# Altium PCB Dehyrator_TV01.PcbDoc (continued)
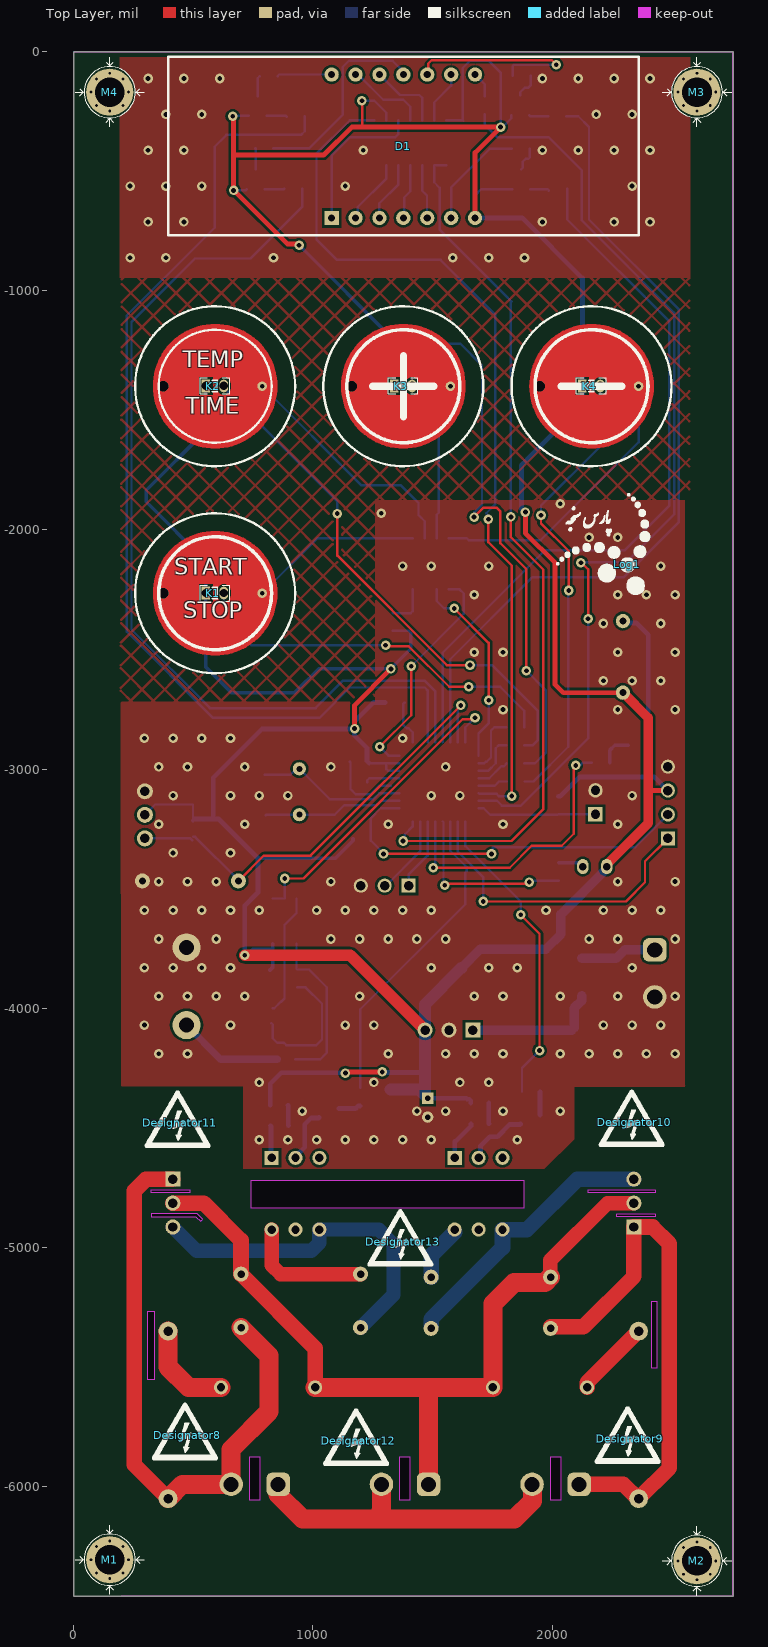
[diagram p0: Top Layer view]
## Footprints (in the part's own frame and the unit in brackets; to place one, negate y for a bottom-side part, rotate by r counter-clockwise, add the part's x,y. Pads: shape width x height; smd on the part's side, far side on the other; paste and mask are expansions set on the pad) (continued)
TOUCHLED_CIRCULAR [mm]
  round 1.016 hole 0.508: 1(5,0)
  rect 0.9x1.35 hole 0.9: 2(-0.975,0.025)
  oval 0.9x1.35 hole 0.9: 3(0.925,0.025)
  round 1.1 hole 1.1: 4(-5.5,0)
  Top Layer circle w0.254: c0.002,0 r6.5
  Top Layer region: 0.965,6.426 1.499,6.426 1.778,6.147 2.413,6.147 2.743,5.817 2.743,5.791 3.175,5.791 3.327,5.639 3.429,5.639 4.623,4.445 4.826,4.445 4.826,4.191 5.766,3.251 5.766,2.794 6.147,2.413 6.147,1.803 6.452,1.499 6.452,-1.092 6.274,-1.27 6.274,-2.083 5.893,-2.464 5.893,-2.946 5.639,-3.2 5.639,-3.404 4.293,-4.75 4.293,-5.004 4.013,-5.004 3.251,-5.766 2.794,-5.766 2.438,-6.121 1.905,-6.121 1.626,-6.401 -1.702,-6.401 -1.778,-6.325 -1.778,-6.198 -2.286,-6.198 -2.54,-5.944 -2.921,-5.944 -3.099,-5.766 -3.226,-5.766 -3.454,-5.537 -3.607,-5.537 -4.953,-4.191 -4.977,-4.191 -5.029,-4.064 -4.978,-4.013 -5.74,-3.251 -5.74,-3.073 -5.664,-2.997 -5.944,-2.718 -5.944,-2.591 -5.867,-2.515 -6.248,-2.134 -6.248,-1.829 -6.172,-1.753 -6.274,-1.651 -6.401,-1.651 -6.401,0.94 -6.528,1.067 -6.35,1.245 -6.274,1.245 -6.274,1.676 -6.375,1.778 -6.274,1.88 -6.121,1.88 -6.121,2.438 -5.766,2.794 -5.766,3.099 -5.791,3.124 -5.436,3.48 -5.385,3.48 -5.385,3.759 -5.41,3.785 -5.08,4.115 -4.928,4.115 -4.928,4.394 -4.216,5.105 -3.886,5.105 -3.226,5.766 -2.769,5.766 -2.388,6.147 -1.829,6.147 -1.549,6.426 -0.102,6.426 0.076,6.604 hole: -0.271,0.954 -1.679,0.954 -1.679,0.072 -1.685,0.025 -1.679,-0.021 -1.679,-0.904 -0.271,-0.904 -0.271,-0.021 -0.265,0.025 -0.271,0.072 hole: 0.925,0.96 0.741,0.936 0.57,0.865 0.423,0.753 0.31,0.605 0.239,0.434 0.215,0.25 0.215,-0.2 0.239,-0.383 0.31,-0.555 0.423,-0.702 0.57,-0.815 0.741,-0.885 0.925,-0.91 1.109,-0.885 1.28,-0.815 1.427,-0.702 1.54,-0.555 1.611,-0.383 1.635,-0.2 1.635,0.25 1.611,0.434 1.54,0.605 1.427,0.753 1.28,0.865 1.109,0.936
  silkscreen extent -8.5,-8.5 8.5,8.5, body extent -1.03,-0.6 0.99,0.65, height 1.1
XH-3PIN [mm]
  round 1.7 hole 1: 1(-2.5,0) 2(0,0) 3(2.5,0)
  silkscreen extent -5,-2.31 5,3.4, body extent -4.98,-2.42 4.92,3.33, height 7

## Part data
C1 C2 C3 C4 C5 C6 C7 C8 C10 C11 C14 C15 C16 C17 C18 C19 C20: "Capacitor", LatestRevisionDate=17-Jul-2002, LatestRevisionNote="Re-released for DXP Platform.", PackageDescription="Radial Cap, Thru-Hole; 2 Leads; 0.3 in Pin Spacing", PackageReference=RAD-0.3, Published=8-Jun-2000, Publisher="Altium Limited"
C9: library part Cap2, "Capacitor", PackageDescription="Capacitor; 2 Leads", PackageReference=CAPR5-4X5, Published=23-Sep-2002, Publisher="Altium Limited"
C12 C13: library part Cap, "Capacitor", LatestRevisionDate=17-Jul-2002, LatestRevisionNote="Re-released for DXP Platform.", PackageDescription="Radial Cap, Thru-Hole; 2 Leads; 0.3 in Pin Spacing", PackageReference=RAD-0.3, Published=8-Jun-2000, Publisher="Altium Limited"
D1: library part 7SEG-CLOCK-14PIN, "4-Digit LED Display CLOCK"
D2: "1 Amp General Purpose Rectifier", Code_JEDEC=DO-204-AL, ComponentLink1Description="Manufacturer Link", ComponentLink1URL=http://www.fairchildsemi.com/, ComponentLink2Description=Datasheet, ComponentLink2URL=http://www.fairchildsemi.com/ds/1N%2F1N4001.pdf, DatasheetVersion=1998, LatestRevisionDate=17-Jul-2002, LatestRevisionNote="Re-released for DXP Platform.", PackageDescription="Diode, Axial; Body 5.2 x 2.7 mm (LxDia. max), Lead Dia. 0.86 mm (max)", PackageReference=DO-41, PackageVersion=Aug-1999, Published=8-Jun-2000, Publisher="Altium Limited"
D5 D9: "Typical RED GaAs LED", LatestRevisionDate=08-Jul-2005, LatestRevisionNote="Mech Layer 1 removed.", PackageDescription="LED; 2 Leads", PackageReference=LED-1, Published=8-Jun-2000, Publisher="Altium Limited"
D8: library part LED0, "Typical INFRARED GaAs LED", LatestRevisionDate=08-Jul-2005, LatestRevisionNote="Mech Layer 1 removed.", PackageDescription="LED; 2 Leads", PackageReference=LED-0, Published=8-Jun-2000, Publisher="Altium Limited"
K1 K2 K3 K4: library part Touch_Pad, "Capacitive touch"
LS1: "Magnetic Transducer Buzzer", ComponentLink1Description="Manufacturer Link", ComponentLink1URL=http://www.megastar.com/linecard/buzzmode/index.php, DatasheetVersion=17-Dec-2003, LatestRevisionDate=17-Dec-2003, LatestRevisionNote="Schematic revised, PCB Footprint replaced.", PackageDescription="Magnetic Transducer Buzzer", PackageReference=ABSM-1574, Published=24-Mar-1999, Publisher="Altium Limited"
M1 M2 M3 M4: library part "Board Screw 3mm", "Board Screw With Spacer 3mm", Data=16-12-2016, Designer="Abbas Basereh"
N1: library part Res1, "Resistor", LatestRevisionDate=17-Jul-2002, LatestRevisionNote="Re-released for DXP Platform.", PackageDescription="Axial Device, Thru-Hole; 2 Leads; 0.3 in Pin Spacing", PackageReference=AXIAL-0.3, Published=8-Jun-2000, Publisher="Altium Limited"
P1: library part "Header 2", "Header, 2-Pin", LatestRevisionDate=17-Jul-2002, LatestRevisionNote="Re-released for DXP Platform.", Publisher="Altium Limited"
P2 P7: "Header, 3-Pin", LatestRevisionDate=17-Jul-2002, LatestRevisionNote="Re-released for DXP Platform.", Publisher="Altium Limited"
P3 P4 P5 P6 P8: "Header, 2-Pin", LatestRevisionDate=17-Jul-2002, LatestRevisionNote="Re-released for DXP Platform.", Publisher="Altium Limited"
P9: "Header, 4-Pin", LatestRevisionDate=17-Jul-2002, LatestRevisionNote="Re-released for DXP Platform.", Publisher="Altium Limited"
Q1 Q7 Q9: "NPN Silicon Switching Transistor, 40 V VCEO, 200 mA IC, SOT23, Reel, Green", Manufacturer=Infineon, Supplier Part Number 1=97K9949, ComponentLink1Description="Manufacturer URL", ComponentLink1URL=http://www.infineon.com/, ComponentLink2Description=Datasheet, ComponentLink2URL=http://www.infineon.com/dgdl/smbt3904series_mmbt3904.pdf?folderId=db3a30431441fb5d011445fab851018e&fileId=db3a30431441fb5d0114460005c10191, ComponentLink3Description="Package Specification", ComponentLink3URL=http://www.infineon.com/dgdl/SOT23-Package_Overview.pdf?folderId=db3a30431936bc4b0119532290053c66&fileId=db3a30431936bc4b0119533468123c85, Green=TRUE, IC="10 mA", IC (max)="200 mA", ICBO (max)="50 nA", Mounting Technology="Surface Mount", PackageDescription="3-Pin Small Outline Transistor Package, 1.3 x 2.9 mm Body, 0.95 mm Pitch", PackageReference=SOT23, PackageVersion=Apr-08, Packing=Reel, PartNumber=SMBT3904, Polarity=NPN, Supplier 1=Newark, Supplier 2=Farnell, Supplier 3=Farnell, Supplier Part Number 2=1056539, Supplier Part Number 3=1056539RL, VCBO (max)="60 V", VCE="1 V", VCE (max)="1 V", VCEO (max)="40 V", VEBO (max)="6 V"
Q2 Q3 Q4 Q5: "PNP Silicon Switching Transistor, 40 V VCEO, 200 mA IC, SOT23, Reel, Green", Manufacturer=Infineon, Supplier Part Number 1=N/A, ComponentLink1Description="Manufacturer URL", ComponentLink1URL=http://www.infineon.com/, ComponentLink2Description=Datasheet, ComponentLink2URL=http://www.infineon.com/dgdl/smbt3906_mmbt3906series.pdf?folderId=db3a30431441fb5d011445fab851018e&fileId=db3a30431441fb5d01144604610f0192, ComponentLink3Description="Package Specification", ComponentLink3URL=http://www.infineon.com/dgdl/SOT23-Package_Overview.pdf?folderId=db3a30431936bc4b0119532290053c66&fileId=db3a30431936bc4b0119533468123c85, Green=TRUE, IC="10 mA", IC (max)="200 mA", ICBO (max)="50 nA", Mounting Technology="Surface Mount", PackageDescription="3-Pin Small Outline Transistor Package, 1.3 x 2.9 mm Body, 0.95 mm Pitch", PackageReference=SOT23, PackageVersion=Apr-08, Packing=Reel, PartNumber=SMBT3906, Polarity=PNP, Supplier 1=Mouser, Supplier 2=Farnell, Supplier Part Number 2=1056540RL, VCBO (max)="40 V", VCE="1 V", VCE (max)="1 V", VCEO (max)="40 V", VEBO (max)="6 V"
Q6 Q8: library part Triac, "Silicon Bidirectional Triode Thyristor", ComponentLink1Description="Manufacturer Link", ComponentLink1URL=http://www.motorola.com/, DatasheetVersion=1999, LatestRevisionDate=17-Jul-2002, LatestRevisionNote="Re-released for DXP Platform.", Note="Pin 2 is electrically connected to Pin 4 (TAB)", PackageDescription="TO, Thru-Hole, Vertical, Heatsink Mounted; 3 In-Line Leads; Pitch 2.28 mm", PackageReference=369-03, Published=29-Sep-2000, Publisher="Altium Limited"
R1 R2 R3 R4 R5 R6 R7 R8 R9 R10 R11 R12 R13 R14 R15 R16 R17 R18 R19 R20 R21 R22 R23 R24 R25 R26 R27 R28 R30 R31: "Resistor", LatestRevisionDate=17-Jul-2002, LatestRevisionNote="Re-released for DXP Platform.", PackageDescription="Axial Device, Thru-Hole; 2 Leads; 0.3 in Pin Spacing", PackageReference=AXIAL-0.3, Published=8-Jun-2000, Publisher="Altium Limited"
R29: "Potentiometer", LatestRevisionDate=17-Jul-2002, LatestRevisionNote="Re-released for DXP Platform.", PackageDescription="Variable Resistor, Thru-Hole; 3 Leads", PackageReference=VR5, Published=8-Jun-2000, Publisher="Altium Limited", Set Position=0.5, Sim Note="Enter the Resistance value and the set point into parameter fields."
U1: "Holtek Touch Key"
U2: library part "L7805CV-Linear Voltage Regulator IC Positive 1 Output 5V 1.5A TO-220AB", "Linear Voltage Regulator IC Positive FIXED", Manufacturer=STMicroelectronics, Designer="Abbas Basereh", Link=https://www.aliexpress.com/item/, Part. No=L7805CV
U3: "8-Bit Serial Input / Parallel-Output Shift Register", Code_IPC=SOIC127P600-14, Code_JEDEC=MS-012-AB, ComponentLink1Description="Manufacturer Link", ComponentLink1URL=http://www.onsemi.com/, ComponentLink2Description=Datasheet, ComponentLink2URL=http://www.onsemi.com/pub/Collateral/MC74HC164A-D.PDF, DatasheetVersion=Mar-2000, LatestRevisionDate=13-Apr-2006, LatestRevisionNote="IPC-7351 Footprint Added.", PackageDescription="14-Pin Small Outline Integrated Circuit 1.27 mm Pitch", PackageReference=751A-03, Published=15-Apr-2002, Publisher="Altium Limited"
U4 U5: library part "Opto TRIAC", "Opto-Triac", LatestRevisionDate=17-Jul-2002, LatestRevisionNote="Re-released for DXP Platform.", PackageDescription="SIP; 4 Leads; Body 10 x 11.5 x 7.5 mm (typ); Pitch 2.54 mm", PackageReference=NPSIP4A, Published=24-Mar-1999, Publisher="Altium Limited"
U6: "Value line, 16 MHz STM8S 8-bit MCU, 32-Kbyte Flash memory,data EEPROM, 10-bit ADC, timers, UART, SPI, IІC"
U7: "Dual Low-Power Operational Amplifier", Code_IPC=SOIC127P600-8, Code_JEDEC=MS-012-AA, ComponentLink1Description="Manufacturer Link", ComponentLink1URL=http://www.onsemi.com/site/products/parametrics/0,4446,251,00.html, ComponentLink2Description=Datasheet, ComponentLink2URL=http://www.onsemi.com/pub/Collateral/LM358-D.PDF, DatasheetVersion=1988, LatestRevisionDate=13-Apr-2006, LatestRevisionNote="IPC-7351 Footprint Added.", PackageDescription="8-Pin Small Outline Integrated Circuit 1.27 mm Pitch", PackageReference=751-02, Published=17-Jul-2002, Publisher="Altium Limited"
Y1: library part ECS-110-S-5P, "Crystal Oscillator", ComponentLink1Description="Manufacturer Link", ComponentLink1URL=http://www.ecsxtal.com/, ComponentLink2Description=Datasheet, ComponentLink2URL=http://www.ecsxtal.com/pdf3/CSM_7.pdf, DatasheetDocument=18-Apr-2000, PackageReference=CSM-7, Published=17-Jul-2002, Publisher="Altium Limited"
L1 L2: Code_IEC=1005, Code_JEITA=0402, LatestRevisionDate=29-May-2009, LatestRevisionNote="IPC-7351 Footprint Added.", PackageDescription="Chip Inductor", PackageReference=0402-A, Published=8-Jun-2000, Publisher="Altium Limited"

## Via types
v1: diameter 40, hole 20, Top Layer to Bottom Layer, 207 vias
v2: diameter 20, hole 11.81, Top Layer to Bottom Layer, 32 vias

## Nets (pads, with @x,y where several pads share a name; then routed paths per layer and width w, separated by ;. In a path a pad name is that pad's centre, name@x,y a point inside that pad or via, vN(x,y) a via of type N, cw(c..) or ccw(c..) an arc to the next point about the centre after c; other vN are vias at no path point)
+5V: C1.2 C3.2 C8.2 C9.1 C11.2 C14.1 C19.2 D1.7 D8.1 K1.2 K2.2 K3.2 K4.2 L1.1 L2.1 LS1.1 P2.2 P9.3 Q2.2 Q3.2 Q4.2 Q5.2 R1.2 R2.2 R16.1 R24.1 R31.1 U2.3 U3.9 U3.14 U6.6 U6.7 U7.8 | length 18022.2
  Top Layer w10: v1@935.03,-802.36 v1(941.85,-809.18) ; v1(1204.85,-204.18) 1205.85,-205.18 1205.85,-314.18
  Top Layer w20: v1(663.85,-269.18) 667.85,-273.18 667.85,-431.18 ; v1@935.03,-802.36 933.94,-803.44 892.11,-803.44 v1(667.85,-579.18) 667.85,-431.18 ; v1(1135.85,-4272.18) 1140.85,-4267.18 v1(1289.85,-4267.18) ; v1(1173.85,-2830.68) 1173.85,-2733.18 v1(1325.85,-2581.18) ; D1.7 1677.95,-421.08 v1(1784.85,-314.18) 1205.85,-314.18 1161.85,-314.18 1044.85,-431.18 667.85,-431.18 ; v1(1888.85,-1925.18) 1888.85,-2013.18 2012.85,-2137.18 2012.85,-2647.18 2046.85,-2681.18 2296.06,-2681.18 LS1.1 ; 2401.85,-3084.47 2407.57,-3090.18 P9.3
  Top Layer w40: D8.1 2228.85,-3400.31 2401.85,-3227.31 2401.85,-3084.47 2401.85,-2785.39 LS1.1
  Top Layer w50: v1(714.85,-3779.18) 1155.85,-3779.18 U2.3
  Bottom Layer w10: P2.2 340.02,-3148.58 C1.2 R1.2 R1.2@497.85,-3215.68 ; v1(663.85,-269.18) 665.51,-267.52 Q5.2 ; v1(667.85,-579.18) 717.79,-579.18 Q4.2 ; v1(1204.85,-204.18) 1257.1,-204.18 1307.12,-254.2 U3.9 ; C19.2@1235.51,-2975.44 1310.24,-2975.44 ; L1.1 1400.64,-2422.37 C3.2 ; U6.6 1312.61,-3006.94 1305.85,-3000.18 1305.85,-2979.83 1310.24,-2975.44 ; U6.7 1310.24,-2975.44 ; U3.14 1625.76,-285.69 C11.2@1626.85,-286.78 ; C11.2 C11.2@1626.85,-286.78 ; D1.7 1677.95,-600.08 1703.51,-574.52 Q2.2 ; Q3.2 1829.45,-278.3 1793.57,-314.18 v1(1784.85,-314.18) 1784.85,-86.18 1734.85,-36.18 1657.85,-36.18 1626.85,-67.18 C11.2@1626.85,-286.78
  Bottom Layer w15: R1.2@497.85,-3215.68 R1.2@504.35,-3209.18 ; K2.2 552.17,-1583.87 301.85,-1834.18 301.85,-1882.18 552.17,-2132.5 K1.2 552.17,-2574.5 657.85,-2680.18 923.85,-2680.18 1023.85,-2580.18 1325.85,-2580.18 1409.45,-2496.58 C3.2 ; v1(714.85,-3779.18) 724.32,-3779.18 748.84,-3754.67 826.87,-3754.67 U7.8@830.85,-3750.68 ; 769.85,-3374.18 769.85,-3371.18 771.85,-3373.18 1094.31,-3373.18 1167.45,-3300.04 R31.1 ; C14.1 820.63,-3840.78 830.85,-3830.56 U7.8@830.85,-3750.68 ; U7.8 U7.8@830.85,-3750.68 ; v1(941.85,-809.18) 1339.57,-1206.9 K3.2@1339.57,-1388.68
  Bottom Layer w20: R1.2@504.35,-3209.18 582.85,-3209.18 ; v1(714.85,-3779.18) 714.85,-3571.18 769.85,-3516.18 769.85,-3374.18 604.85,-3209.18 582.85,-3209.18 ; R16.1 821.05,-4316.98 866.85,-4271.18 1134.85,-4271.18 v1(1135.85,-4272.18) ; C19.2@1235.51,-2975.44 C19.2 1226.28,-2966.2 1226.28,-2912.61 1173.85,-2860.18 v1(1173.85,-2830.68) ; v1(1289.85,-4267.18) 1291.85,-4269.18 1468.85,-4269.18 ; L2.1 1253.85,-2721.18 1173.85,-2801.18 v1(1173.85,-2830.68) ; C9.1 1641.08,-4377.81 1644.86,-4381.59 1653.72,-4381.59 1660.45,-4388.32 R24.1 ; D1.7 1875.27,-694.6 2126.97,-946.3 K4.2 2126.97,-1474.06 1871.85,-1729.18 1871.85,-1912.18 ; 1873.85,-1910.18 v1(1888.85,-1925.18) ; R2.2 2034.71,-3114.38 2115.91,-3033.18 2427.85,-3033.18 P9.3 ; 582.85,-3209.18 582.85,-3036.18 786.85,-2832.18 1172.35,-2832.18 v1(1173.85,-2830.68)
  Bottom Layer w40: 1620.85,-3832.18 1698.85,-3754.18 1973.85,-3754.18 2036.85,-3691.18 2036.85,-3608.06 2228.85,-3416.06 D8.1
  Bottom Layer w50: C8.2 1442.42,-4340.38 1468.85,-4366.81 1468.85,-4269.18 U2.3 1468.85,-3984.18 1620.85,-3832.18
+5VA: C20.2 L2.2 U6.9 | length 189.9
  Bottom Layer w10: L2.2@1383.15,-2722.07 1378.25,-2726.97 C20.2 1378.25,-2817.04 1390.97,-2829.76 1399.83,-2829.76 1416.61,-2846.54 U6.9
+12V: C10.2 D2.2 U2.1 | length 573.5
  Bottom Layer w40: U2.1 2081.74,-4092.18 2092.45,-4081.47 C10.2 2092.45,-4000.6 2124.21,-3968.83 D2.2@2124.21,-3949.15
BUZZER: R8.1 U6.29 | length 1199
  Top Layer w10: v1(1502.85,-3413.18) 1822.85,-3413.18 1914.85,-3321.18 2040.85,-3321.18 2090.85,-3271.18 v1@2090.85,-2989.18
  Bottom Layer w10: v1(1502.85,-3413.18) 1511.1,-3404.93 U6.29 ; v1(2098.85,-2985.18) 2101.85,-2982.18 2119.85,-2982.18 2127.85,-2974.18 R8.1
COMD1: D1.14 R7.2 | length 228.4
  Bottom Layer w10: R7.2 858.83,-94.6 D1.14
COMD2: D1.11 R6.2 | length 843.5
  Bottom Layer w10: R6.2 984.85,-402.18 1123.85,-263.18 1123.85,-64.18 1150.85,-37.18 1332.85,-37.18 1377.95,-82.28 D1.11
COMD3: D1.10 R5.2 | length 823.3
  Top Layer w10: D1.10 1481.58,-90.97 1481.58,-49.6 1497,-34.18 1999,-34.18 v1(2018,-53.18)
  Bottom Layer w10: R5.2 1835.45,-59.04 1841.31,-53.18 v1(2018,-53.18)
COMD4: D1.6 R4.2 | length 449.1
  Bottom Layer w10: D1.6 1577.95,-567.08 1739.85,-405.18 R4.2
DIGIT1: R12.2 U6.11 | length 4331.9
  Bottom Layer w10: R12.2 965.25,-331.78 949.85,-347.18 637.85,-347.18 588.85,-396.18 588.85,-735.18 220.85,-1103.18 220.85,-2425.47 581.57,-2786.18 1026.85,-2786.18 1153.85,-2659.18 1467.85,-2659.18 1479.61,-2670.94 U6.11
DIGIT2: R11.2 U6.12 | length 3962.7
  Bottom Layer w10: R11.2 954.25,-648.18 738.25,-864.18 506.85,-864.18 240.85,-1130.18 240.85,-2417.18 568.85,-2745.18 1010.85,-2745.18 1125.85,-2630.18 1467.13,-2630.18 1511.1,-2674.15 U6.12
DIGIT3: R10.2 U6.14 | length 3465.3
  Bottom Layer w10: U6.14 1574.09,-2540.94 1917.85,-2197.18 2300.85,-2197.18 2530.85,-1967.18 2530.85,-1078.18 2154.85,-702.18 2154.85,-314.18 2109.85,-269.18 R10.2
DIGIT4: R9.2 U6.13 | length 3081.6
  Bottom Layer w10: U6.13 1542.6,-2512.43 1969.85,-2085.18 2302.85,-2085.18 2490.85,-1897.18 2490.85,-1127.78 2063.25,-700.18 R9.2
DIGIT_TIK: R3.2 U6.23 | length 3934.1
  Top Layer w10: v1(2120.85,-2137.18) 2123.85,-2137.18 2150.85,-2164.18 v1(2150.85,-2371.18)
  Bottom Layer w10: U6.23 1769.31,-3132.92 1789.57,-3153.18 1869.85,-3153.18 2150.85,-2872.18 v1(2150.85,-2371.18) ; R3.2 1717.85,-304.18 1769.85,-356.18 1984.85,-356.18 2124.85,-496.18 2124.85,-705.18 2510.85,-1091.18 2510.85,-1935.18 2311.85,-2134.18 v1@2120.85,-2134.18
Door_key: P1.1 R2.1 U6.24 | length 501.6
  Bottom Layer w10: U6.24 1713.86,-3164.42 1740.62,-3191.18 2023.85,-3191.18 R2.1 P1.1
DS18_NTC: N1.1 P2.1 R1.1 U6.15 | length 1864.6
  Top Layer w10: N1.1 793.64,-3362.18 989.85,-3362.18 v1(1617.85,-2734.18)
  Bottom Layer w10: P2.1 487.05,-3290.18 R1.1@495.85,-3298.98 ; R1.1 506.71,-3283.98 687.64,-3464.91 N1.1 ; U6.15 1605.59,-2746.44 v1(1617.85,-2734.18)
FAN_PID: R27.1 U6.25 | length 1289.8
  Top Layer w10: v1(1868.85,-3610.18) 1947.85,-3689.18 v1(1947.85,-4178.18)
  Bottom Layer w10: U6.25 1637.09,-3322.42 1868.85,-3554.18 v1(1868.85,-3610.18) ; R27.1 1874.45,-4251.58 v1(1947.85,-4178.18)
GND: C1.1 C2.1 C3.1 C4.1 C5.1 C6.1 C7.1 C8.1 C9.2 C10.1 C11.1 C14.2 C15.1 C16.1 C17.1 C18.2 C19.1 C20.1 N1.2 P1.2 P2.3 P3.2 P7.3 P8.2 P9.4 Q1.2 Q7.2 Q9.2 U1.7 U2.2 U3.7 U6.4 U6.10 U7.4 U7.5 | length 308.9
  Bottom Layer w10: C19.1 1156.85,-2971.58 1156.85,-3084.09 1178.85,-3106.09 1239.94,-3106.09 1276.1,-3069.93 1325.8,-3069.93
  other v1: 774.85,-4551.18 894.85,-4551.18 1014.85,-4551.18 1134.85,-4551.18 1254.85,-4551.18 1374.85,-4551.18 1494.85,-4551.18 1854.85,-4551.18 954.85,-4431.18 1434.85,-4431.18 1554.85,-4431.18 1794.85,-4431.18 2034.85,-4431.18 774.85,-4311.18 1254.85,-4311.18 1614.85,-4311.18 1734.85,-4311.18 354.85,-4191.18 474.85,-4191.18 1314.85,-4191.18 1554.85,-4191.18 1674.85,-4191.18 1794.85,-4191.18 2034.85,-4191.18 2154.85,-4191.18 2274.85,-4191.18 2394.85,-4191.18 2514.85,-4191.18 294.85,-4071.18 654.85,-4071.18 1134.85,-4071.18 1254.85,-4071.18 2214.85,-4071.18 2334.85,-4071.18 2454.85,-4071.18 354.85,-3951.18 474.85,-3951.18 594.85,-3951.18 714.85,-3951.18 1194.85,-3951.18 1674.85,-3951.18 1794.85,-3951.18 2034.85,-3951.18 2274.85,-3951.18 2514.85,-3951.18 294.85,-3831.18 414.85,-3831.18 534.85,-3831.18 654.85,-3831.18 1494.85,-3831.18 1734.85,-3831.18 1854.85,-3831.18 2334.85,-3831.18 354.85,-3711.18 594.85,-3711.18 1074.85,-3711.18 1194.85,-3711.18 1314.85,-3711.18 1434.85,-3711.18 1554.85,-3711.18 2154.85,-3711.18 2274.85,-3711.18 2514.85,-3711.18 294.85,-3591.18 414.85,-3591.18 534.85,-3591.18 654.85,-3591.18 774.85,-3591.18 1014.85,-3591.18 1134.85,-3591.18 1254.85,-3591.18 1374.85,-3591.18 1494.85,-3591.18 1974.85,-3591.18 2214.85,-3591.18 2334.85,-3591.18 2454.85,-3591.18 354.85,-3471.18 474.85,-3471.18 594.85,-3471.18 1074.85,-3471.18 2274.85,-3471.18 2514.85,-3471.18 414.85,-3351.18 654.85,-3351.18 354.85,-3231.18 714.85,-3231.18 1314.85,-3231.18 1794.85,-3231.18 2274.85,-3231.18 414.85,-3111.18 654.85,-3111.18 774.85,-3111.18 894.85,-3111.18 1494.85,-3111.18 1614.85,-3111.18 2334.85,-3111.18 354.85,-2991.18 474.85,-2991.18 714.85,-2991.18 1074.85,-2991.18 1554.85,-2991.18 294.85,-2871.18 414.85,-2871.18 534.85,-2871.18 654.85,-2871.18 1374.85,-2871.18 1794.85,-2751.18 2274.85,-2751.18 2514.85,-2751.18 2214.85,-2631.18 2334.85,-2631.18 2454.85,-2631.18 1674.85,-2511.18 1794.85,-2511.18 2274.85,-2511.18 2514.85,-2511.18 2214.85,-2391.18 2454.85,-2391.18 1674.85,-2271.18 2274.85,-2271.18 2394.85,-2271.18 2514.85,-2271.18 1374.85,-2151.18 1494.85,-2151.18 1734.85,-2151.18 2454.85,-2151.18 2154.85,-2031.18 2274.85,-2031.18 1285.85,-1930.18 2034.85,-1890.18 234.85,-861.18 384.85,-861.18 834.85,-861.18 1584.85,-861.18 1734.85,-861.18 1884.85,-861.18 309.85,-711.18 459.85,-711.18 1959.85,-711.18 2259.85,-711.18 2409.85,-711.18 234.85,-561.18 384.85,-561.18 534.85,-561.18 1134.85,-561.18 2334.85,-561.18 309.85,-411.18 459.85,-411.18 1209.85,-411.18 1959.85,-411.18 2109.85,-411.18 2259.85,-411.18 2409.85,-411.18 384.85,-261.18 534.85,-261.18 2184.85,-261.18 2334.85,-261.18 309.85,-111.18 459.85,-111.18 609.85,-111.18 1959.85,-111.18 2109.85,-111.18 2259.85,-111.18 2409.85,-111.18
LED_LOGO: R22.1 U6.28 | length 755.8
  Top Layer w10: v1(1550.85,-3486.18) 1557.35,-3479.68 1898.35,-3479.68 v1(1904.85,-3473.18)
  Bottom Layer w10: U6.28 1545.85,-3222.79 1545.85,-3481.18 v1(1550.85,-3486.18) ; v1(1904.85,-3473.18) 1910.45,-3467.58 R22.1
LED_MINUS: R21.1 U6.21 | length 126.6
  Bottom Layer w10: U6.21 1761.1,-3069.93 1778.85,-3052.18 R21.1
LED_PLUS: R17.1 U6.20 | length 143.8
  Bottom Layer w10: U6.20 1737.6,-3038.43 1786.85,-2989.18 1797.72,-2989.18 1809.45,-2977.45 R17.1
LED_SS: R13.1 U6.18 | length 244.1
  Bottom Layer w10: U6.18 1717.01,-2975.44 1722.68,-2969.77 1726.26,-2969.77 1744.85,-2951.18 1744.85,-2839.18 1758.85,-2825.18 R13.1
LED_TT: R14.1 U6.19 | length 198
  Bottom Layer w10: U6.19 1734.09,-3006.94 1764.85,-2976.18 1764.85,-2913.18 1777.85,-2900.18 R14.1
MINUS: C7.2 K4.1 K4.4 U1.4 | length 1719.9
  Top Layer w10: K4.4 1948.82,-1396.21 2034.85,-1310.18 2322.85,-1310.18 2362.2,-1349.54 K4.1
  Bottom Layer w10: U1.4 1641.97,-2033.9 C7.2 1952.25,-2042.78 2362.2,-1632.83 2362.2,-1401.24 2360.85,-1399.89 K4.1
NetC2_2: C2.2 L1.2 U1.8 | length 180.1
  Bottom Layer w10: L1.2 1335.04,-2348.18 C2.2 1417.85,-2338.78 U1.8
NetC12_2: C12.2 R18.2 | length 407
  Top Layer w80: R18.2 393.7,-5502.03 478.85,-5587.18 C12.2
NetC13_2: C13.2 R25.2 | length 324.8
  Top Layer w65: C13.2 2146.55,-5567.36 R25.2
NetC15_2: C15.2 U6.2 Y1.1 | length 584.9
  Bottom Layer w10: C15.2 804.32,-3191.31 Y1.1 1090.38,-3191.31 1130.5,-3151.18 1265.85,-3151.18 1284.11,-3132.92 U6.2
NetC16_2: C16.2 U6.3 Y1.2 | length 636.5
  Bottom Layer w10: C16.2 907.15,-3023.58 931.55,-2999.18 Y1.2 1069.76,-3126.09 1252.85,-3126.09 1277.51,-3101.43 U6.3
NetC17_2: C17.2 U6.5 | length 146.7
  Bottom Layer w10: C17.2@1227.25,-3056.04 C17.2 1236,-3038.43 U6.5
NetD1_8: D1.8 R3.1 | length 107.7
  Bottom Layer w10: D1.8 1717.85,-134.5 R3.1
NetD2_1: D2.1 P3.1 | length 320.5
  Bottom Layer w40: D2.1@2124.21,-3791.67 2124.72,-3792.18 2268.85,-3792.18 2304.28,-3756.76 P3.1
NetD5_1: D5.1 R16.2 | length 85.6
  Bottom Layer w20: R16.2 896.55,-4407.88 896.55,-4491.48 D5.1
NetD5_2: D5.2 U4.1 | length 136.5
  Bottom Layer w20: D5.2 824.61,-4494.34 824.61,-4624.72 U4.1
NetD8_2: D8.2 R22.2 | length 106.4
  Bottom Layer w15: R22.2 2112.6,-3392.78 2128,-3408.18 D8.2
NetD9_1: D9.1 R24.2 | length 87.4
  Bottom Layer w20: R24.2 1735.75,-4397.68 1735.75,-4483.68 D9.1
NetD9_2: D9.2 U5.1 | length 173.7
  Bottom Layer w20: U5.1 1592.85,-4557.18 1597.31,-4557.18 1661.45,-4493.04 D9.2
NetK1_3: K1.3 R13.2 | length 1590.3
  Top Layer w10: v1(1303.85,-2482.18) 1310.85,-2482.18 1315.85,-2487.18 1400.85,-2487.18 1569.85,-2656.18 v1(1651.85,-2656.18)
  Bottom Layer w10: K1.3 626.97,-2368.3 740.85,-2482.18 v1(1303.85,-2482.18) ; v1(1651.85,-2656.18) 1782.85,-2656.18 1883.25,-2756.58 R13.2
NetK2_3: K2.3 R14.2 | length 2202.3
  Top Layer w10: v1(1101.85,-1931.18) 1101.85,-2107.18 1559.85,-2565.18 v1(1656.85,-2565.18)
  Bottom Layer w10: K2.3 626.97,-1406.39 1101.85,-1881.28 v1(1101.85,-1931.18) ; v1(1656.85,-2565.18) 1748.85,-2565.18 1940.85,-2757.18 1940.85,-2879.18 1919.85,-2900.18 R14.2
NetK3_3: K3.3 R17.2 | length 2437.4
  Top Layer w10: v1(1673.85,-1946.18) 1713.85,-1906.18 1767.85,-1906.18 1783.85,-1922.18 1783.85,-2055.18 1892.85,-2164.18 v1(1892.85,-2589.18)
  Bottom Layer w10: K3.3 1414.37,-1303.66 1497.85,-1220.18 1615.85,-1220.18 1706.85,-1311.18 1706.85,-1894.18 1674.49,-1926.54 1674.49,-1945.54 v1(1673.85,-1946.18) ; R17.2 1929.03,-2976.18 1974.85,-2930.36 1974.85,-2671.18 v1(1892.85,-2589.18)
NetK4_3: K4.3 R21.2 | length 1902.9
  Top Layer w10: v1(1953.85,-1938.18) 1953.85,-1972.18 2069.85,-2088.18 v1(2069.85,-2253.18)
  Bottom Layer w10: R21.2 1922.85,-3052.18 2067.85,-2907.18 2067.85,-2255.18 v1(2069.85,-2253.18) ; v1(1953.85,-1938.18) 1953.85,-1898.18 2201.77,-1650.26 K4.3
NetLS1_2: LS1.2 Q1.3 | length 553.8
  Bottom Layer w20: LS1.2 2304.5,-2388.83 2352.5,-2388.83 2402.19,-2438.52 Q1.3
NetQ1_1: Q1.1 R8.2 | length 139
  Bottom Layer w15: R8.2 2242.25,-2920.75 2262.42,-2900.58 Q1.1
NetQ2_1: Q2.1 R9.1 | length 81.1
  Bottom Layer w10: Q2.1 1981.39,-574.52 R9.1@1987.05,-580.18
NetQ2_3: Q2.3 R4.1 | length 107.9
  Bottom Layer w10: Q2.3 1877.66,-485.03 1877.66,-459.37 1890.85,-446.18 1901.39,-446.18 1907.25,-440.32 R4.1
NetQ3_1: Q3.1 R10.1 | length 82.1
  Bottom Layer w10: Q3.1 1908.91,-269.18 R10.1
NetQ3_3: Q3.3 R5.1 | length 108.5
  Bottom Layer w10: Q3.3 1866.85,-168.06 1884.73,-150.18 1899.85,-150.18 1910.25,-139.78 R5.1
NetQ4_1: Q4.1 R11.1 | length 83.2
  Bottom Layer w10: Q4.1 877.11,-574.52 R11.1
NetQ4_3: Q4.3 R6.1 | length 90.2
  Bottom Layer w10: R6.1 759.85,-403.58 Q4.3
NetQ5_1: Q5.1 R12.1 | length 85.7
  Bottom Layer w10: Q5.1 886.79,-267.52 R12.1@890.45,-271.18
NetQ5_3: Q5.3 R7.1 | length 87.2
  Bottom Layer w10: Q5.3 768.85,-109.78 R7.1
NetQ6_3: Q6.3 R19.2 U4.4 | length 1465.3
  Bottom Layer w60: Q6.3 513.39,-5016.18 992.85,-5016.18 1026.77,-4982.26 U4.4 1274.55,-4926.88 1336.85,-4989.18 1336.85,-5199.18 R19.2
NetQ7_1: Q7.1 R20.2 | length 94.3
  Bottom Layer w20: Q7.1 1177.8,-4420.78 1188.99,-4409.58 R20.2
NetQ7_3: Q7.3 U4.2 | length 227.6
  Bottom Layer w20: U4.2 926.77,-4620.85 965.85,-4581.78 965.85,-4487.18 993.04,-4459.99 1023.7,-4459.99 Q7.3
NetQ8_3: Q8.3 R26.2 U5.4 | length 1168.1
  Bottom Layer w65: R26.2@1493.85,-5334.18 1493.85,-5301.18 1792.85,-5002.18 U5.4 1895.15,-4926.88 2105.85,-4716.18 Q8.3
NetQ9_1: Q9.1 R27.2 | length 98.4
  Bottom Layer w20: R27.2 1950.22,-4351.15 1950.22,-4446.81 Q9.1
NetQ9_3: Q9.3 U5.2 | length 258.8
  Bottom Layer w20: U5.2 1700.32,-4619.41 1700.32,-4577.71 1739.89,-4538.14 1771.89,-4538.14 1823.04,-4486.99 1866.7,-4486.99 Q9.3
NetR15_2: R15.2 U4.6 | length 536.7
  Top Layer w60: U4.6 826.77,-5076.1 863.85,-5113.18 R15.2
NetR23_2: R23.2 U5.6 | length 230
  Bottom Layer w65: R23.2 1493.85,-5036.18 U5.6@1592.85,-4937.18
NetR28_1: R28.1 R29.1 R29.3 | length 575
  Bottom Layer w10: R29.3 831.85,-4070.08 R29.1 850.47,-4145.79 878.46,-4145.79 887.85,-4155.18 1014.85,-4155.18 1037.85,-4132.18 1037.85,-3982.18 969.25,-3913.58 R28.1
NetR28_2: R28.2 R30.1 U7.6 | length 682
  Bottom Layer w10: R30.1 1030.85,-4214.18 1056.85,-4188.18 1056.85,-4141.47 1057.85,-4140.47 1057.85,-3913.18 983.45,-3838.78 R28.2 930.85,-3835.78 U7.6
NetR29_2: R29.2 U7.3 U7.7 | length 505.2
  Bottom Layer w10: R29.2 837.76,-4001.18 865.76,-3973.18 867.85,-3973.18 880.85,-3960.18 U7.7 880.85,-3652.18 930.85,-3602.18 U7.3
NO1: P5.2 Q6.1 R18.1 R19.1 | length 2585.2
  Top Layer w65: R18.1 252.85,-5911.65 252.85,-4764.26 300.93,-4716.18 Q6.1
  Top Layer w80: R18.1 453.5,-5992.69 P5.2 657.61,-5846.43 815.85,-5688.18 815.85,-5454.18 R19.1
NO2: P6.1 Q8.1 R25.1 R26.1 | length 2213.3
  Top Layer w65: R26.1@1993.85,-5334.18 2130.85,-5334.18 2342.52,-5122.51 Q8.1 2420.85,-4916.18 2490.85,-4986.18 2490.85,-5923.85 R25.1 2358.49,-6052.5 2298.68,-5992.69 P6.1
NRST: C18.1 P9.2 R31.2 U6.1 | length 1579.1
  Top Layer w10: v1(1294.85,-3355.18) v1(1746.85,-3355.18)
  Bottom Layer w10: v1(1294.85,-3355.18) 1294.85,-3352.64 1242.25,-3300.04 R31.2 1242.25,-3205.32 1283.16,-3164.42 U6.1 ; v1(1746.85,-3355.18) 1752.71,-3349.32 1752.71,-3327.18 2347.85,-3327.18 P9.2
NULL: P4.2 P5.1 P6.2 | length 1367.9
  Top Layer w80: P5.1 854.46,-6035.79 955.85,-6137.18 1281.85,-6137.18 1842.94,-6137.18 1918.8,-6061.32 1918.8,-5995.04 P6.2 ; 1281.85,-6108.18 1286.53,-6103.5 P4.2
PHASE: C12.1 C13.1 P4.1 Q6.2 Q8.2 R15.1 R23.1 | length 3386.1
  Top Layer w60: R23.1@1993.28,-5125.61 1993.28,-5070.61 1992.85,-5070.18 1992.85,-5055.18 2231.85,-4816.18 Q8.2
  Top Layer w65: Q6.2 542.85,-4816.18 698.85,-4972.18 R15.1 1008.85,-5423.18 C12.1
  Top Layer w80: C12.1 C13.1 1752.85,-5237.18 1841.85,-5148.18 1970.71,-5148.18 R23.1@1993.28,-5125.61 ; P4.1 1483.38,-5600.65 1483.85,-5600.18
PLUS: C6.2 K3.1 K3.4 U1.3 | length 1238.2
  Top Layer w10: K3.4 1165.15,-1394.8 1165.15,-1361.88 1252.85,-1274.18 1524.85,-1274.18 1574.8,-1324.13 K3.1
  Bottom Layer w10: U1.3 1517.85,-1935.78 1526.45,-1927.18 1526.45,-1446.89 K3.1
SEG_A: D1.13 U3.11 | length 341.9
  Bottom Layer w10: D1.13 1188.27,-94.6 1293.85,-200.18 1378.85,-200.18 1407.12,-228.45 U3.11
SEG_B: D1.9 U3.13 | length 220.4
  Bottom Layer w10: U3.13 1507.12,-211.91 1577.95,-141.08 D1.9
SEG_C: D1.4 U3.4 | length 232
  Bottom Layer w10: D1.4 1381.85,-690.7 1381.85,-609.18 1407.12,-583.91 U3.4
SEG_CLK: U3.8 U6.22 | length 3755.9
  Top Layer w10: v1(1733.85,-1955.18) 1733.85,-2051.18 1831.85,-2149.18 v1(1831.85,-3113.18)
  Bottom Layer w10: U3.8 1154.34,-285.69 1014.85,-425.18 1014.85,-785.18 1099.85,-870.18 1533.85,-870.18 1761.85,-1098.18 1761.85,-1893.18 1724.85,-1930.18 1733.85,-1939.18 v1(1733.85,-1955.18) ; U6.22 1694.43,-3103.66 1768.32,-3103.66 1777.85,-3113.18 v1(1831.85,-3113.18)
SEG_D: D1.2 U3.6 | length 273.4
  Bottom Layer w10: D1.2 1186.43,-686.12 1186.43,-649.6 1307.12,-528.91 U3.6
SEG_DAT: U3.1 U3.2 U6.32 | length 3674.8
  Top Layer w10: v1(1376.85,-3301.18) 1829.85,-3301.18 1963.85,-3167.18 1963.85,-2166.18 1827.85,-2030.18 v1(1827.85,-1945.18)
  Bottom Layer w10: v1(1376.85,-3301.18) 1384.5,-3293.53 1384.5,-3273.3 1416.61,-3241.19 U6.32 ; U3.1 U3.2 1507.12,-545.45 1529.85,-568.18 1529.85,-743.18 1830.85,-1044.18 1827.85,-1047.18 v1(1827.85,-1945.18)
SEG_DP: D1.3 U3.5 | length 252.7
  Bottom Layer w10: D1.3 1277.95,-633.08 1357.12,-553.91 U3.5
SEG_E: D1.1 U3.10 | length 635.8
  Bottom Layer w10: D1.1 1077.95,-433.08 1154.85,-356.18 1344.85,-356.18 1357.12,-343.91 U3.10
SEG_F: D1.12 U3.12 | length 312.9
  Bottom Layer w10: D1.12 1363.54,-180.18 1444.85,-180.18 1457.12,-192.45 U3.12
SEG_G: D1.5 U3.3 | length 228.6
  Bottom Layer w10: U3.3 1457.12,-581.45 1476.85,-601.18 1476.85,-693.5 D1.5
START/STOP: C4.2 K1.1 K1.4 U1.1 | length 726
  Bottom Layer w10: K1.1 1018.18,-2033.9 U1.1
SWIM: P9.1 U6.26 | length 1312.6
  Top Layer w10: v1(1711.85,-3554.18) 2308.99,-3554.18 2389.16,-3474.02 2389.16,-3385.87 P9.1
  Bottom Layer w10: U6.26 1605.59,-3345.35 1711.85,-3451.61 v1(1711.85,-3554.18)
TC-: P8.1 R30.2 | length 438.7
  Bottom Layer w30: P8.1 613.45,-4214.18 R30.2
TC_IN: U6.16 U7.1 U7.2 | length 1329.9
  Top Layer w10: v1(881.85,-3458.18) 959.85,-3458.18 1625.85,-2792.18 1671.99,-2792.18 1677.85,-2786.32 v1(1677.85,-2785.18)
  Bottom Layer w10: U7.1 U7.2 881.35,-3541.19 881.35,-3458.68 v1(881.85,-3458.18) ; U6.16 1637.09,-2825.94 v1(1677.85,-2785.18)
TEMP/TIME: C5.2 K2.1 K2.4 U1.2 | length 1518.1
  Top Layer w10: K2.4 473.37,-1299.18 702.85,-1299.18 741.85,-1338.18 741.85,-1352.98 K2.1
  Bottom Layer w10: K2.1 1201.05,-1812.18 1365.85,-1812.18 1441.25,-1887.58 C5.2 1441.25,-1937.04 1467.85,-1963.64 U1.2
THERMAL_PID: R20.1 U6.27 | length 1327.9
  Bottom Layer w10: R20.1 1197.85,-4005.18 1636.85,-3566.18 1636.85,-3433.18 1642.71,-3427.32 1642.71,-3410.75 1636.85,-3404.9 1574.09,-3342.14 U6.27
Touch_CLK: U1.5 U6.8 | length 955.1
  Top Layer w10: v1(1278.85,-2907.18) 1410.76,-2775.27 v1(1410.76,-2570.18)
  Bottom Layer w10: v1(1278.85,-2907.18) 1315.61,-2943.94 U6.8 ; v1(1410.76,-2570.18) 1630.85,-2350.09 1630.85,-2266.04 1613.28,-2248.46 U1.5
Touch_DAT: U1.6 U6.17 | length 827.6
  Top Layer w10: v1(1590.85,-2328.18) 1734.85,-2472.18 v1(1734.85,-2712.18)
  Bottom Layer w10: U1.6 1517.85,-2297.18 1548.85,-2328.18 v1(1590.85,-2328.18) ; U6.17 1692.2,-2852.11 1734.85,-2809.46 v1(1734.85,-2712.18)
UART2_RX: P7.2 U6.31 | length 333
  Bottom Layer w10: P7.2 1304.85,-3488.18 1448.11,-3344.92 U6.31
UART2_TX: P7.1 U6.30 | length 301.7
  Bottom Layer w10: P7.1 1399.85,-3441.94 1479.61,-3362.18 U6.30
pads on no net: M1.S M2.S M3.S M4.S R29. U4.3 U4.5 U5.3 U5.5
copper on no net:
  other v2: 2606.3,-6391.92 149.61,-6386.92 2550.62,-6368.86 2661.98,-6368.86 93.93,-6363.86 205.28,-6363.86 2527.56,-6313.18 2685.04,-6313.18 70.87,-6308.18 228.35,-6308.18 2550.62,-6257.5 2661.98,-6257.5 93.93,-6252.5 205.28,-6252.5 2606.3,-6234.44 149.61,-6229.44 149.61,-246.98 2606.3,-246.98 93.93,-223.92 205.28,-223.92 2550.62,-223.92 2661.98,-223.92 70.87,-168.24 228.35,-168.24 2527.56,-168.24 2685.04,-168.24 93.93,-112.57 205.28,-112.57 2550.62,-112.57 2661.98,-112.57 149.61,-89.5 2606.3,-89.5

## Polygon pours and split planes (outlines as drawn)
GND on Top Layer "Top Layer-GND 1" (solid, pour order 8): 191.43,-23.18 2579,-23.18 2579,-945.18 191.43,-945.18
GND on Top Layer "Top Layer-GND 2" (solid, remove dead copper, pour order 4): 196.85,-4324.18 199.85,-4327.18 707.85,-4327.18 707.85,-4673.18 1967.85,-4673.18 2092.85,-4548.18 2092.85,-4329.18 2562.85,-4329.18 2555.85,-4322.18 2555.85,-1875.18 1265.9,-1875.18 1259.85,-1881.23 1259.85,-2719.18 196.85,-2719.18 195.85,-2720.18
GND on Top Layer "Top Layer-GND" (hatched 45Degree grid 67 track 10, pour order 0): 199.85,-945.18 201.85,-943.18 2573.85,-943.18 2573.85,-1876.18 1259.85,-1876.18 1259.85,-2719.18 196.85,-2719.18 195.85,-2720.18
GND on Bottom Layer "Bottom Layer-GND 1" (solid, pour order 10): 190,-23 2580,-23 2580,-945.2 190,-943.18
GND on Bottom Layer "Bottom Layer-GND 2" (solid, remove dead copper, pour order 6): 196.85,-4324.18 199.85,-4327.18 707.85,-4327.18 707.85,-4673.18 1967.85,-4673.18 2092.85,-4548.18 2092.85,-4329.18 2562.85,-4329.18 2555.85,-4322.18 2555.85,-1875.18 1265.9,-1875.18 1259.85,-1881.23 1259.85,-2719.18 196.85,-2719.18 195.85,-2720.18
GND on Bottom Layer "Bottom Layer-GND" (hatched 45Degree grid 100 track 10, pour order 2): 199.85,-945.18 201.85,-943.18 2573.85,-943.18 2573.85,-1872.18 1259.85,-1872.18 1259.85,-2719.18 196.85,-2719.18 195.85,-2720.18

## Keep-outs
Keep-Out Layer:
  lines w5: 0,-6459.18 0,-1.18 ; 0,0 2755.91,0 ; 196.85,-6459.18 2755.91,-6459.18 2755.91,-1.18

## Silkscreen, mask and mechanical layers (free items; w line width, h text height)
Top Overlay:
  circle w15: c590.55,-2264.68 r236.22
  circle w15: c1377.95,-1398.54 r236.22
  circle w15: c2165.35,-1398.54 r236.22
  circle w10: c590.55,-1398.54 r236.22
  lines w30: 1250,-1398.54 1505.91,-1398.54 ; 1377.95,-1526.49 1377.95,-1270.58 ; 2037.4,-1398.54 2293.31,-1398.54
  text "TEMP" at 455.85,-1342.18 h118.11
  text "TIME" at 467.85,-1536.18 h118.11
  text "START" at 419.85,-2211.18 h118.11
  text "STOP" at 456.85,-2393.18 h118.11

## Dimensions
151.02,-1396.16 to 151.02,-2262.31 on Mechanical 1
393.76,-19.61 to 0,0 on Mechanical 1
2362.26,-19.61 to 393.76,-19.61 on Mechanical 1
393.76,-767.65 to 374.02,-1398.54 on Mechanical 1
590.55,-1634.76 to 1377.95,-1634.76 on Mechanical 1
2165.35,-1634.76 to 1377.95,-1634.76 on Mechanical 1
2755.91,0 to 0,0 on Mechanical 1
393.76,-19.61 to 393.76,-767.65 on Mechanical 1
0,0 to 393.76,-19.61 on Mechanical 1
0,0 to 196.85,-6459.18 on Mechanical 1
2165.35,-1634.76 to 2755.91,0 on Mechanical 1
2165.35,-1398.54 to 2485.17,-1600.35 on Mechanical 1
590.55,-1634.76 to 0,0 on Mechanical 1